# Altium PCB PDB_PCB.PcbDoc (part 3 of 3)
Units mil, origin at the board's own origin, x right, y up, seen from the top; angles counter-clockwise.
Board outline 5500 x 4500 mil, 4 copper layers (Top Layer, Mid Layer 1, Mid Layer 2, Bottom Layer), stack 78.937 mil thick; 320 components, 127 nets, 936 pads, 1645 vias.
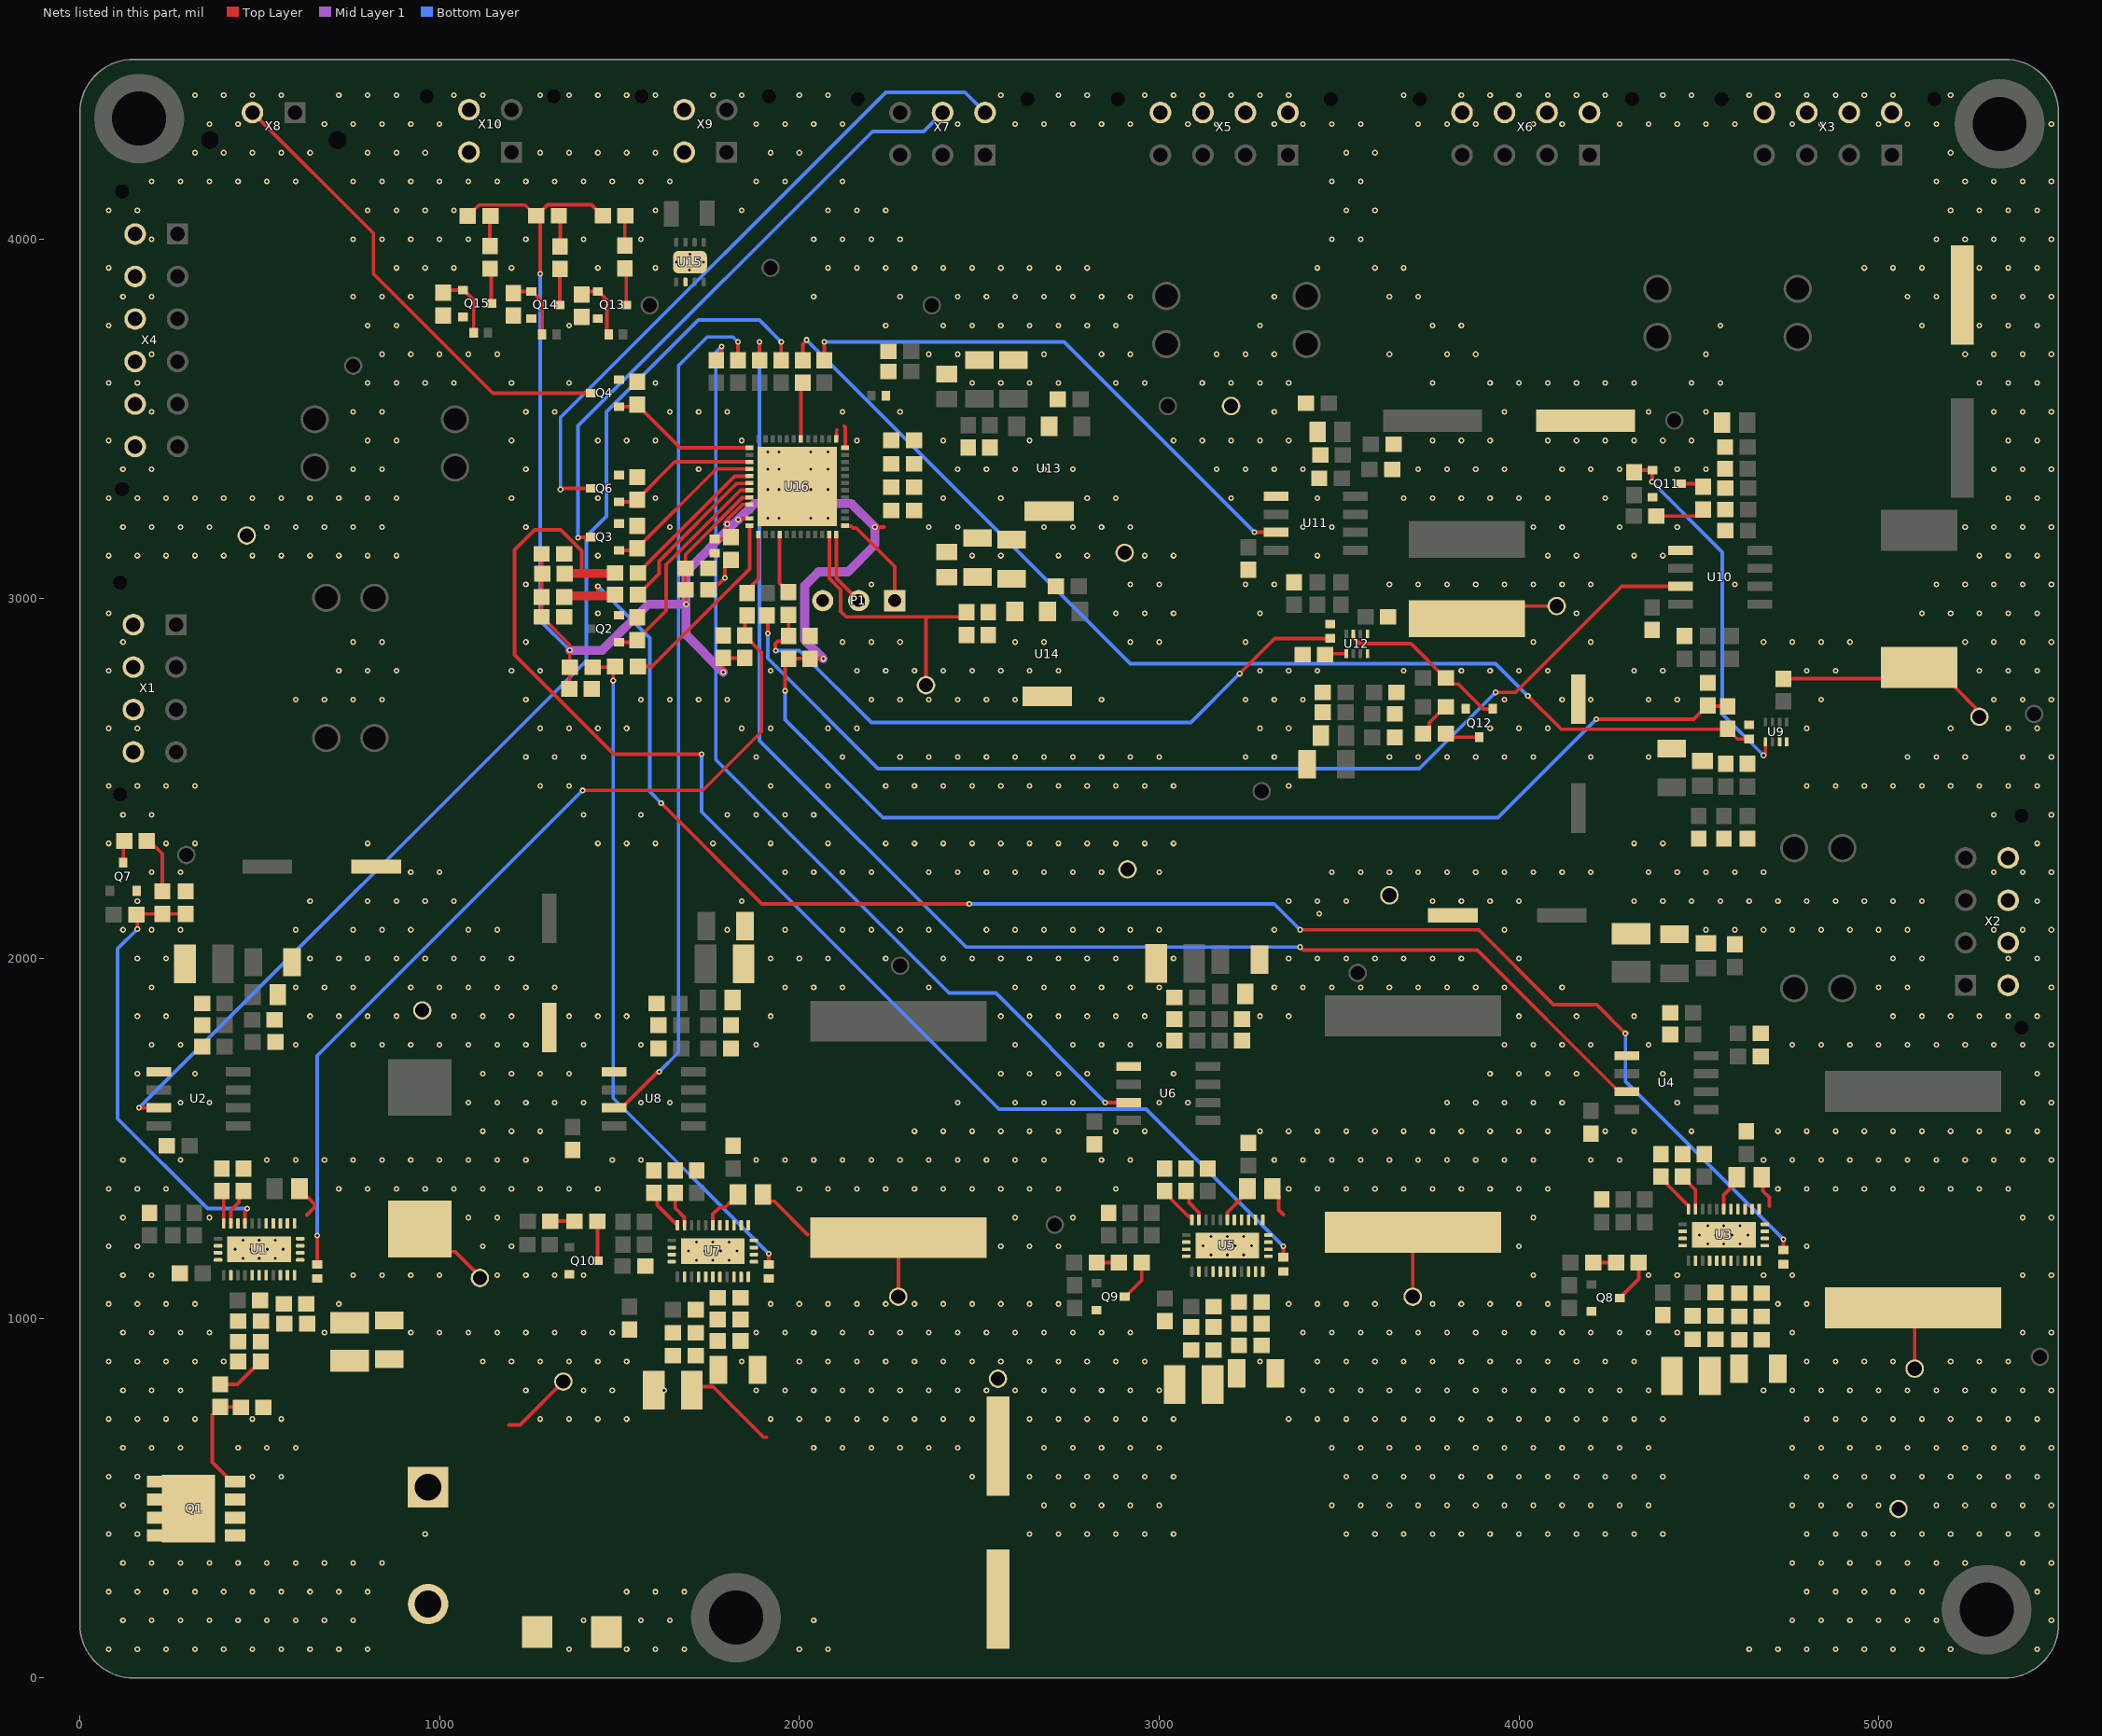
[diagram p5: the nets of this part, all layers, seen from the top]

## Via types
v1: diameter 16, hole 8, Top Layer to Bottom Layer, 1601 vias
v2: diameter 11.81, hole 7.87, Top Layer to Bottom Layer, 44 vias

## Nets (pads, with @x,y where several pads share a name; then routed paths per layer and width w, separated by ;. In a path a pad name is that pad's centre, name@x,y a point inside that pad or via, vN(x,y) a via of type N, cw(c..) or ccw(c..) an arc to the next point about the centre after c; other vN are vias at no path point) (continued)
GND: C1.2 C2.2 C3.2 C4.2 C5.2 C6.2 C7.2 C8.2 C9.2 C10.2 C11.2 C13.2 C14.2 C15.2 C16.2 C17.2 C18.2 C19.2 C20.2 C21.2 C23.2 C25.2 C26.2 C27.2 C28.2 C29.2 C30.2 C31.2 C32.2 C35.2 C36.2 C37.2 C38.2 C39.2 C40.2 C41.2 C42.2 C43.2 C44.2 C45.2 C46.2 C48.2 C49.2 C50.2 C51.2 C52.2 C53.2 C54.2 C55.2 C58.2 C59.2 C60.2 C61.2 C62.2 C63.2 C64.2 C65.2 C66.2 C67.2 C68.2 C69.2 C71.2 C72.2 C73.2 C74.2 C75.2 C76.2 C77.2 C78.2 C81.2 C82.2 C83.2 C84.2 C85.2 C86.2 C87.2 C88.2 C89.2 C90.2 C91.2 C92.2 C93.2 C94.2 C95.2 C96.2 C97.2 C98.2 C99.2 C100.2 C102.2 C103.2 C104.2 C105.2 C106.2 C107.2 C108.2 C110.2 C111.1 C112.2 C113.2 C114.2 C115.2 C116.2 C117.2 C118.2 C119.2 C120.2 C121.2 C122.2 C123.2 C124.2 C125.2 C127.2 C129.2 C130.2 C131.2 C132.2 C133.1 C134.2 C135.2 C136.2 C137.2 C138.2 C139.1 C140.2 C141.2 C142.2 C143.2 C144.2 C145.2 C146.2 C147.2 C148.2 C149.2 C150.2 C151.2 C152.2 C153.2 D1.2 P1.3 Q1.3 Q2.2 Q3.2 Q4.2 Q6.2 Q7.2 Q8.2 Q9.2 Q10.2 Q11.2 Q12.2 Q13.2 Q14.2 Q15.2 R2.1 R4.1 R5.1 R6.1 R8.1 R10.2 R13.2 R15.1 R17.2 R20.2 R21.1 R25.2 R26.2 R29.1 R30.2 R34.2 R35.2 R38.1 R39.2 R43.2 R44.2 R48.1 R50.2 R51.2 R56.1 R57.2 R58.1 R66.2 R67.2 R68.2 TP1.1 TP6.1 TP11.1 TP17.1 TP27.1 TP28.1 TP31.1 TP32.1 U1.9 U1.13 U1.14 U1.15 U1.17 U1.24 U1.25 U1.26 U1.27 U1.28 U1.29 U1.30 U1.31 U2.5 U3.13 U3.14 U3.15 U3.17 U3.19 U3.24 U3.25 U3.26 U3.27 U3.28 U3.29 U3.30 U3.31 U4.5 U5.13 U5.14 U5.15 U5.17 U5.19 U5.24 U5.25 U5.26 U5.27 U5.28 U5.29 U5.30 U5.31 U6.5 U7.13 U7.14 U7.15 U7.17 U7.19 U7.24 U7.25 U7.26 U7.27 U7.28 U7.29 U7.30 U7.31 U8.5 U9.4 U10.5 U11.5 U12.4 U13.2 U14.2 U15.2 U15.9 U16.49 X1.P$5 X1.P$6 X1.P$7 X1.P$8 X2.P$5 X2.P$6 X2.P$7 X2.P$8 X3.P$5 X3.P$6 X3.P$7 X3.P$8 X4.P$7 X4.P$8 X4.P$9 X4.P$10 X4.P$11 X4.P$12 X5.P$5 X5.P$6 X5.P$7 X5.P$8 X6.P$5 X6.P$6 X6.P$7 X6.P$8 X9.P$2 X9.P$4 X10.P$2 X10.P$4 | length 117.7
  Top Layer w10: C146.2@1746.5,3025 1762.5,3041 1776,3041 v1(1793.35,3058.35) 1793.35,3091.85 C147.2@1810,3108.5
  other v1: 80,80 160,80 240,80 320,80 400,80 480,80 560,80 640,80 720,80 800,80 1360,80 1520,80 1600,80 1680,80 2000,80 2080,80 4640,80 4720,80 4800,80 4880,80 4960,80 5040,80 5120,80 5200,80 5440,80 120,160 200,160 280,160 360,160 440,160 520,160 600,160 680,160 760,160 1400,160 1560,160 1640,160 2040,160 4760,160 4840,160 4920,160 5000,160 5080,160 5160,160 5480,160 80,240 160,240 240,240 320,240 400,240 480,240 560,240 640,240 720,240 800,240 1520,240 1600,240 1680,240 4800,240 4880,240 4960,240 5040,240 5120,240 5440,240 120,320 200,320 280,320 360,320 440,320 520,320 600,320 680,320 760,320 840,320 4760,320 4840,320 4920,320 5000,320 5080,320 5160,320 5240,320 5400,320 5480,320 80,400 160,400 960,400 2640,400 2720,400 2800,400 2880,400 2960,400 3040,400 3520,400 3600,400 3680,400 3760,400 3840,400 3920,400 4000,400 4080,400 4160,400 4240,400 4320,400 4400,400 4800,400 4880,400 4960,400 5040,400 5120,400 5200,400 5280,400 5360,400 5440,400 120,480 2680,480 2760,480 2840,480 2920,480 3000,480 3480,480 3560,480 3640,480 3720,480 3800,480 3880,480 3960,480 4040,480 4120,480 4200,480 4280,480 4360,480 4760,480 4840,480 4920,480 5000,480 5160,480 5240,480 5320,480 5400,480 5480,480 80,560 160,560 480,560 560,560 2480,560 2640,560 2720,560 2800,560 2880,560 2960,560 3040,560 3520,560 3600,560 3680,560 3760,560 3840,560 3920,560 4000,560 4080,560 4160,560 4240,560 4320,560 4400,560 4800,560 4880,560 4960,560 5040,560 5120,560 5200,560 5280,560 5360,560 5440,560 120,640 200,640 280,640 440,640 520,640 600,640 2040,640 2120,640 2200,640 2280,640 2360,640 2440,640 2680,640 2760,640 2840,640 2920,640 3000,640 3480,640 3560,640 3640,640 3720,640 3800,640 3880,640 3960,640 4040,640 4120,640 4200,640 4280,640 4360,640 4760,640 4840,640 4920,640 5000,640 5080,640 5160,640 5240,640 5320,640 5400,640 5480,640 80,720 160,720 240,720 320,720 480,720 560,720 1280,720 1360,720 1440,720 1520,720 1920,720 2000,720 2080,720 2160,720 2240,720 2320,720 2400,720 2480,720 2640,720 2720,720 2800,720 2880,720 2960,720 3040,720 3360,720 3440,720 3520,720 3600,720 3680,720 3760,720 3840,720 3920,720 4000,720 4080,720 4160,720 4240,720 4320,720 4400,720 4800,720 4880,720 4960,720 5040,720 5120,720 5200,720 5280,720 5360,720 5440,720 120,800 200,800 280,800 1240,800 1400,800 1480,800 1624,800 1880,800 1960,800 2040,800 2120,800 2200,800 2280,800 2360,800 2440,800 2520,800 2600,800 2680,800 2760,800 2840,800 2920,800 3000,800 3400,800 3480,800 3560,800 3640,800 3720,800 3800,800 3880,800 3960,800 4040,800 4120,800 4200,800 4280,800 4360,800 4680,800 4760,800 4840,800 4920,800 5000,800 5080,800 5160,800 5240,800 5320,800 5400,800 5480,800 80,880 160,880 240,880 320,880 400,880 1120,880 1200,880 1280,880 1360,880 1440,880 1520,880 1840,880 2000,880 2080,880 2160,880 2240,880 2320,880 2400,880 2480,880 2560,880 2640,880 2720,880 2800,880 2880,880 2960,880 3280,880 3440,880 3520,880 3600,880 3680,880 3760,880 3840,880 3920,880 4000,880 4080,880 4160,880 4240,880 4320,880 4800,880 4880,880 4960,880 5040,880 5200,880 5280,880 5360,880 120,960 200,960 280,960 360,960 680,960 920,960 1000,960 1080,960 1160,960 1240,960 1320,960 1400,960 1480,960 1880,960 1960,960 2040,960 2120,960 2200,960 2280,960 2360,960 2440,960 2520,960 2600,960 2680,960 2760,960 2840,960 2920,960 3400,960 3480,960 3560,960 3640,960 3720,960 3800,960 3880,960 3960,960 4040,960 4120,960 4200,960 4280,960 4360,960 4440,960 4760,960 5400,960 5480,960 80,1040 160,1040 240,1040 320,1040 720,1040 1920,1040 2000,1040 2080,1040 2160,1040 2240,1040 2320,1040 2400,1040 2480,1040 2560,1040 2640,1040 2720,1040 3360,1040 3440,1040 3520,1040 3600,1040 3760,1040 3840,1040 3920,1040 4000,1040 4080,1040 4720,1040 4800,1040 120,1120 200,1120 760,1120 840,1120 920,1120 1000,1120 1160,1120 1240,1120 1320,1120 1400,1120 4040,1120 4360,1120 4440,1120 4680,1120 4760,1120 5400,1120 5480,1120 80,1200 160,1200 1120,1200 1200,1200 2560,1200 2640,1200 2720,1200 4000,1200 4800,1200 120,1280 360,1280 1080,1280 1160,1280 2600,1280 2760,1280 4040,1280 5400,1280 5480,1280 80,1360 160,1360 240,1360 720,1360 800,1360 880,1360 960,1360 1040,1360 1120,1360 1200,1360 1280,1360 1360,1360 1440,1360 2000,1360 2080,1360 2160,1360 2240,1360 2320,1360 2400,1360 2480,1360 2560,1360 2640,1360 2720,1360 2880,1360 3360,1360 3440,1360 3520,1360 3600,1360 3680,1360 3760,1360 3840,1360 3920,1360 4000,1360 4080,1360 4720,1360 4800,1360 4880,1360 4960,1360 5040,1360 5120,1360 5200,1360 5280,1360 5360,1360 120,1440 280,1440 520,1440 600,1440 680,1440 760,1440 840,1440 920,1440 1000,1440 1080,1440 1160,1440 1240,1440 1480,1440 1560,1440 1880,1440 1960,1440 2040,1440 2120,1440 2200,1440 2280,1440 2360,1440 2440,1440 2520,1440 2600,1440 2680,1440 2840,1440 2920,1440 3320,1440 3400,1440 3480,1440 3560,1440 3640,1440 3720,1440 3800,1440 3880,1440 3960,1440 4040,1440 4200,1440 4280,1440 4680,1440 4760,1440 4840,1440 4920,1440 5000,1440 5080,1440 5160,1440 5240,1440 5320,1440 5400,1440 5480,1440 1120,1520 1200,1520 1280,1520 2320,1520 2400,1520 2480,1520 2560,1520 2640,1520 2720,1520 2880,1520 2960,1520 3280,1520 3360,1520 3440,1520 3520,1520 3600,1520 3680,1520 3760,1520 3840,1520 3920,1520 4000,1520 4080,1520 4240,1520 4320,1520 4480,1520 4720,1520 4800,1520 4880,1520 4960,1520 5040,1520 5120,1520 5200,1520 5280,1520 5360,1520 5440,1520 280,1600 360,1600 1080,1600 1160,1600 1240,1600 1320,1600 1400,1600 1560,1600 1640,1600 2440,1600 2600,1600 2680,1600 2760,1600 3000,1600 3080,1600 3800,1600 3880,1600 3960,1600 4040,1600 4120,1600 4440,1600 5400,1600 5480,1600 160,1680 320,1680 1120,1680 1200,1680 1280,1680 1360,1680 2560,1680 2640,1680 2720,1680 2800,1680 3040,1680 3920,1680 4000,1680 4080,1680 4160,1680 4400,1680 5440,1680 200,1760 280,1760 600,1760 760,1760 840,1760 920,1760 1000,1760 1080,1760 1160,1760 1240,1760 1400,1760 1560,1760 1880,1760 2600,1760 2760,1760 2840,1760 2920,1760 3000,1760 3960,1760 4040,1760 4120,1760 4200,1760 4360,1760 4760,1760 4840,1760 4920,1760 5000,1760 5080,1760 5160,1760 5240,1760 5320,1760 5400,1760 5480,1760 160,1840 240,1840 640,1840 720,1840 800,1840 880,1840 1040,1840 1120,1840 1200,1840 1360,1840 1440,1840 1520,1840 1920,1840 2560,1840 2640,1840 2720,1840 2800,1840 2880,1840 2960,1840 3280,1840 3360,1840 4000,1840 4160,1840 4320,1840 5040,1840 5120,1840 5200,1840 5280,1840 5360,1840 5440,1840 200,1920 600,1920 680,1920 760,1920 920,1920 1000,1920 1080,1920 1160,1920 1240,1920 1320,1920 1960,1920 2040,1920 2120,1920 2360,1920 2600,1920 2680,1920 2760,1920 2840,1920 2920,1920 3000,1920 3320,1920 3400,1920 3480,1920 3560,1920 3640,1920 3720,1920 3800,1920 3880,1920 3960,1920 4120,1920 5000,1920 5080,1920 5480,1920 160,2000 240,2000 640,2000 720,2000 800,2000 880,2000 960,2000 1040,2000 1120,2000 1200,2000 1920,2000 2000,2000 2080,2000 2240,2000 2400,2000 2480,2000 2560,2000 2640,2000 2720,2000 2800,2000 2880,2000 3040,2000 3360,2000 3440,2000 3520,2000 3600,2000 3680,2000 3760,2000 3840,2000 4000,2000 5040,2000 5120,2000 5360,2000 5440,2000 120,2080 200,2080 280,2080 600,2080 760,2080 840,2080 920,2080 1080,2080 1160,2080 1800,2080 1960,2080 2120,2080 2200,2080 2280,2080 2360,2080 2520,2080 2600,2080 2680,2080 2760,2080 2840,2080 2920,2080 3000,2080 3320,2080 3960,2080 4520,2080 4600,2080 4680,2080 4760,2080 4840,2080 4920,2080 5000,2080 5080,2080 5320,2080 5400,2080 5480,2080 3445,2125 160,2160 640,2160 800,2160 880,2160 960,2160 1040,2160 1840,2160 3360,2160 3440,2160 3520,2160 3760,2160 3840,2160 3920,2160 4000,2160 4320,2160 4400,2160 4480,2160 4560,2160 4640,2160 4720,2160 4800,2160 4880,2160 4960,2160 5040,2160 5120,2160 5440,2160 200,2240 280,2240 920,2240 1000,2240 1960,2240 2040,2240 2120,2240 2200,2240 2360,2240 2440,2240 2520,2240 2600,2240 2680,2240 2760,2240 2840,2240 3000,2240 3480,2240 3560,2240 3640,2240 3720,2240 3800,2240 3880,2240 3960,2240 4040,2240 4120,2240 4200,2240 4360,2240 4440,2240 4520,2240 4600,2240 4680,2240 5320,2240 5400,2240 5480,2240 80,2320 240,2320 320,2320 800,2320 1440,2320 1520,2320 1600,2320 1760,2320 1920,2320 2080,2320 2240,2320 2320,2320 2400,2320 2480,2320 2560,2320 2640,2320 2720,2320 2800,2320 2880,2320 2960,2320 3040,2320 4320,2320 4400,2320 5440,2320 120,2400 200,2400 1400,2400 1560,2400 1800,2400 1880,2400 1960,2400 2040,2400 5320,2400 5480,2400 80,2480 160,2480 240,2480 320,2480 1280,2480 1360,2480 1920,2480 2080,2480 2240,2480 2320,2480 2400,2480 2480,2480 2560,2480 2640,2480 2720,2480 2800,2480 2880,2480 2960,2480 3040,2480 3360,2480 4800,2480 4880,2480 4960,2480 5040,2480 5120,2480 5200,2480 5280,2480 5360,2480 5440,2480 1240,2560 1320,2560 1400,2560 1880,2560 2120,2560 2280,2560 2360,2560 2440,2560 2520,2560 2600,2560 2680,2560 2760,2560 2840,2560 2920,2560 3000,2560 3240,2560 3320,2560 3640,2560 3720,2560 3800,2560 3880,2560 3960,2560 4040,2560 4200,2560 4360,2560 5080,2560 5160,2560 5240,2560 5400,2560 5480,2560 80,2640 160,2640 1280,2640 1360,2640 1440,2640 1520,2640 1840,2640 1920,2640 2080,2640 2160,2640 3280,2640 3360,2640 3920,2640 4000,2640 4080,2640 4800,2640 5200,2640 5360,2640 5440,2640 600,2720 680,2720 760,2720 840,2720 1240,2720 1560,2720 1640,2720 1720,2720 1800,2720 2200,2720 2280,2720 2360,2720 2440,2720 2520,2720 2600,2720 2840,2720 3240,2720 3320,2720 3400,2720 3960,2720 4120,2720 4200,2720 4360,2720 4440,2720 4840,2720 5320,2720 5400,2720 5480,2720 80,2800 720,2800 800,2800 880,2800 1200,2800 1280,2800 1920,2800 2160,2800 2240,2800 2320,2800 2400,2800 2480,2800 2560,2800 2640,2800 2720,2800 3280,2800 3360,2800 3440,2800 3680,2800 3840,2800 3920,2800 4000,2800 4080,2800 4320,2800 4400,2800 4800,2800 4880,2800 5280,2800 5360,2800 5440,2800 120,2880 760,2880 840,2880 1240,2880 2120,2880 2200,2880 2280,2880 2600,2880 2680,2880 2920,2880 3000,2880 3240,2880 4040,2880 4200,2880 4680,2880 4760,2880 4840,2880 4920,2880 5240,2880 5320,2880 5400,2880 5480,2880 80,2960 1440,2960 2880,2960 2960,2960 3040,2960 3280,2960 4160,2960 5120,2960 5200,2960 5280,2960 5360,2960 5440,2960 1240,3040 2200,3040 2920,3040 3000,3040 3240,3040 3320,3040 3640,3040 3720,3040 3800,3040 3880,3040 3960,3040 4040,3040 4120,3040 4200,3040 4600,3040 5160,3040 5240,3040 5320,3040 5400,3040 5480,3040 80,3120 160,3120 240,3120 320,3120 400,3120 480,3120 560,3120 640,3120 720,3120 800,3120 880,3120 1440,3120 2480,3120 2560,3120 2720,3120 2800,3120 2960,3120 3040,3120 3440,3120 4080,3120 4160,3120 4320,3120 4400,3120 5280,3120 5360,3120 5440,3120 120,3200 200,3200 280,3200 360,3200 520,3200 600,3200 680,3200 760,3200 840,3200 1240,3200 1640,3200 2360,3200 2440,3200 2680,3200 2760,3200 2840,3200 2920,3200 3400,3200 3480,3200 4040,3200 4120,3200 4280,3200 4440,3200 5240,3200 5320,3200 5400,3200 5480,3200 1912,3224 1944,3224 2032,3224 2080,3224 80,3280 160,3280 240,3280 320,3280 400,3280 480,3280 560,3280 640,3280 720,3280 800,3280 880,3280 1200,3280 1440,3280 1600,3280 2400,3280 2560,3280 2800,3280 2880,3280 3200,3280 3440,3280 3680,3280 3760,3280 3840,3280 3920,3280 4000,3280 4080,3280 4240,3280 5360,3280 5440,3280 1912,3304 1944,3304 2032,3304 2080,3304 120,3360 200,3360 760,3360 840,3360 1240,3360 1720,3360 1912,3360 1944,3360 2032,3360 2080,3360 2440,3360 2520,3360 2600,3360 2680,3360 2760,3360 3160,3360 3240,3360 3320,3360 3400,3360 3720,3360 3800,3360 3880,3360 3960,3360 4120,3360 4200,3360 4280,3360 4440,3360 4520,3360 5320,3360 5400,3360 5480,3360 1912,3408 1944,3408 2032,3408 2080,3408 80,3440 800,3440 880,3440 1200,3440 1440,3440 1520,3440 1600,3440 1840,3440 2160,3440 2400,3440 2640,3440 3040,3440 3120,3440 3200,3440 3280,3440 3360,3440 3760,3440 3840,3440 3920,3440 4080,3440 4160,3440 4240,3440 4320,3440 4400,3440 4480,3440 5360,3440 5440,3440 200,3520 760,3520 840,3520 1240,3520 1320,3520 1640,3520 1720,3520 1800,3520 2120,3520 2280,3520 3320,3520 3960,3520 4360,3520 4520,3520 5320,3520 5400,3520 5480,3520 80,3600 160,3600 800,3600 880,3600 960,3600 1040,3600 1200,3600 1360,3600 1600,3600 2480,3600 2560,3600 2640,3600 2720,3600 2880,3600 2960,3600 3120,3600 3200,3600 3280,3600 3360,3600 3760,3600 3920,3600 4000,3600 4080,3600 4160,3600 4240,3600 4320,3600 4480,3600 4560,3600 5280,3600 5360,3600 5440,3600 200,3680 840,3680 920,3680 1000,3680 1080,3680 1160,3680 2360,3680 2440,3680 2680,3680 2840,3680 2920,3680 3160,3680 3240,3680 3320,3680 3640,3680 3800,3680 3880,3680 4520,3680 5240,3680 5320,3680 5400,3680 5480,3680 80,3760 800,3760 880,3760 1360,3760 2240,3760 2400,3760 2480,3760 2560,3760 2640,3760 2720,3760 2800,3760 2880,3760 3280,3760 3760,3760 3840,3760 4560,3760 5120,3760 5280,3760 5360,3760 5440,3760 120,3840 200,3840 760,3840 840,3840 920,3840 2040,3840 2280,3840 2440,3840 2520,3840 2600,3840 2680,3840 2760,3840 2840,3840 2920,3840 3320,3840 3640,3840 3720,3840 5080,3840 5160,3840 5320,3840 5400,3840 5480,3840 80,3920 880,3920 960,3920 1040,3920 1200,3920 1440,3920 1600,3920 2080,3920 2160,3920 2240,3920 2320,3920 2400,3920 2480,3920 2560,3920 2640,3920 2720,3920 2800,3920 3440,3920 3600,3920 3680,3920 4960,3920 5040,3920 5120,3920 5280,3920 5360,3920 5440,3920 200,4000 760,4000 840,4000 920,4000 1000,4000 1080,4000 1240,4000 1400,4000 1560,4000 2040,4000 2120,4000 2200,4000 2280,4000 3480,4000 3560,4000 5160,4000 5240,4000 5320,4000 5400,4000 5480,4000 80,4080 160,4080 800,4080 880,4080 960,4080 1040,4080 1600,4080 1840,4080 2080,4080 2160,4080 2240,4080 3520,4080 3600,4080 5200,4080 5280,4080 5360,4080 5440,4080 200,4160 280,4160 360,4160 440,4160 520,4160 600,4160 760,4160 840,4160 920,4160 1000,4160 1080,4160 1160,4160 1240,4160 1320,4160 1400,4160 1480,4160 1560,4160 1640,4160 1880,4160 1960,4160 2120,4160 3480,4160 3560,4160 5160,4160 5240,4160 5320,4160 5400,4160 5480,4160 320,4240 400,4240 480,4240 560,4240 640,4240 800,4240 880,4240 960,4240 1280,4240 1360,4240 1440,4240 1520,4240 1600,4240 1920,4240 2000,4240 3520,4240 3600,4240 5200,4240 360,4320 440,4320 680,4320 760,4320 840,4320 920,4320 1000,4320 1160,4320 1880,4320 1960,4320 2040,4320 2120,4320 2440,4320 2600,4320 2680,4320 2760,4320 2840,4320 2920,4320 3080,4320 3160,4320 3320,4320 3400,4320 3480,4320 3560,4320 3720,4320 3800,4320 3880,4320 4040,4320 4120,4320 4280,4320 4360,4320 4440,4320 4520,4320 4600,4320 4760,4320 4840,4320 5000,4320 5080,4320 5160,4320 5480,4320 320,4400 400,4400 480,4400 560,4400 720,4400 800,4400 880,4400 1040,4400 1120,4400 1280,4400 1360,4400 1440,4400 1520,4400 1600,4400 1760,4400 1840,4400 2000,4400 2080,4400 2560,4400 2720,4400 2800,4400 2960,4400 3040,4400 3120,4400 3200,4400 3280,4400 3360,4400 3680,4400 3840,4400 3920,4400 4000,4400 4080,4400 4160,4400 4240,4400 4400,4400 4480,4400 4640,4400 4720,4400 4800,4400 4880,4400 4960,4400 5040,4400 5200,4400
  other v2: 1714.59,1161.22 1759.47,1161.22 1804.35,1161.22 453.59,1166.22 498.47,1166.22 543.35,1166.22 3144.59,1176.22 3189.47,1176.22 3234.35,1176.22 1692.15,1186.81 1737.03,1186.81 1781.91,1186.81 1826.8,1186.81 431.15,1191.81 476.03,1191.81 520.91,1191.81 565.8,1191.81 3122.15,1201.81 3167.03,1201.81 3211.91,1201.81 3256.8,1201.81 4524.59,1206.22 4569.47,1206.22 4614.35,1206.22 1714.59,1212.4 1759.47,1212.4 1804.35,1212.4 453.59,1217.4 498.47,1217.4 543.35,1217.4 3144.59,1227.4 3189.47,1227.4 3234.35,1227.4 4502.15,1231.81 4547.03,1231.81 4591.91,1231.81 4636.8,1231.81 4524.59,1257.4 4569.47,1257.4 4614.35,1257.4 1694.03,3914.35 1658.6,3936 1733.4,3936 1696,3957.65